# KiCad board B3_panel.kicad_pcb
title: Kleinvoet; date: 2023-07-04; rev: ${PROJECT_REV}; company: Department of Electrical and Electronic Engineering - Stellenbosch University; note: Digital Signal Processing Laboratory; note: Author: CM Geldenhuys <cmgeldenhuys@sun.ac.za>; note: Project: Kleinvoet; note: License: CERN-OHL-S-2.0
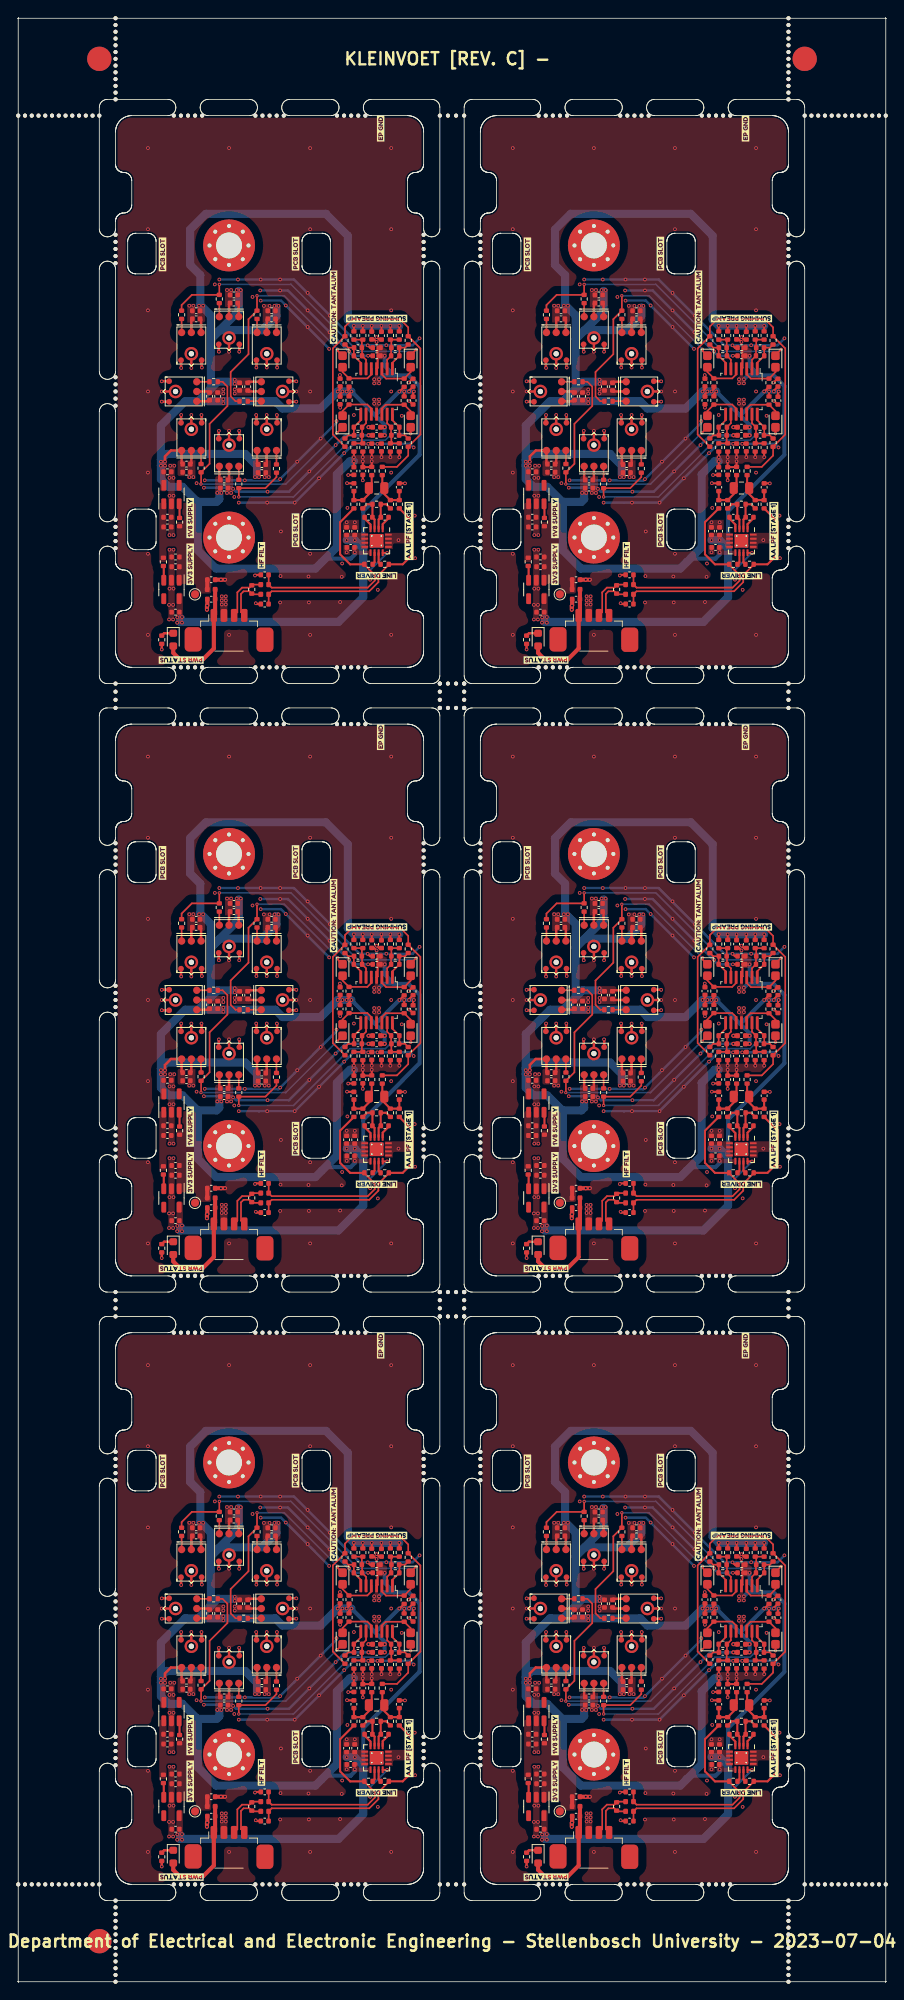
[diagram p0: board, top side]
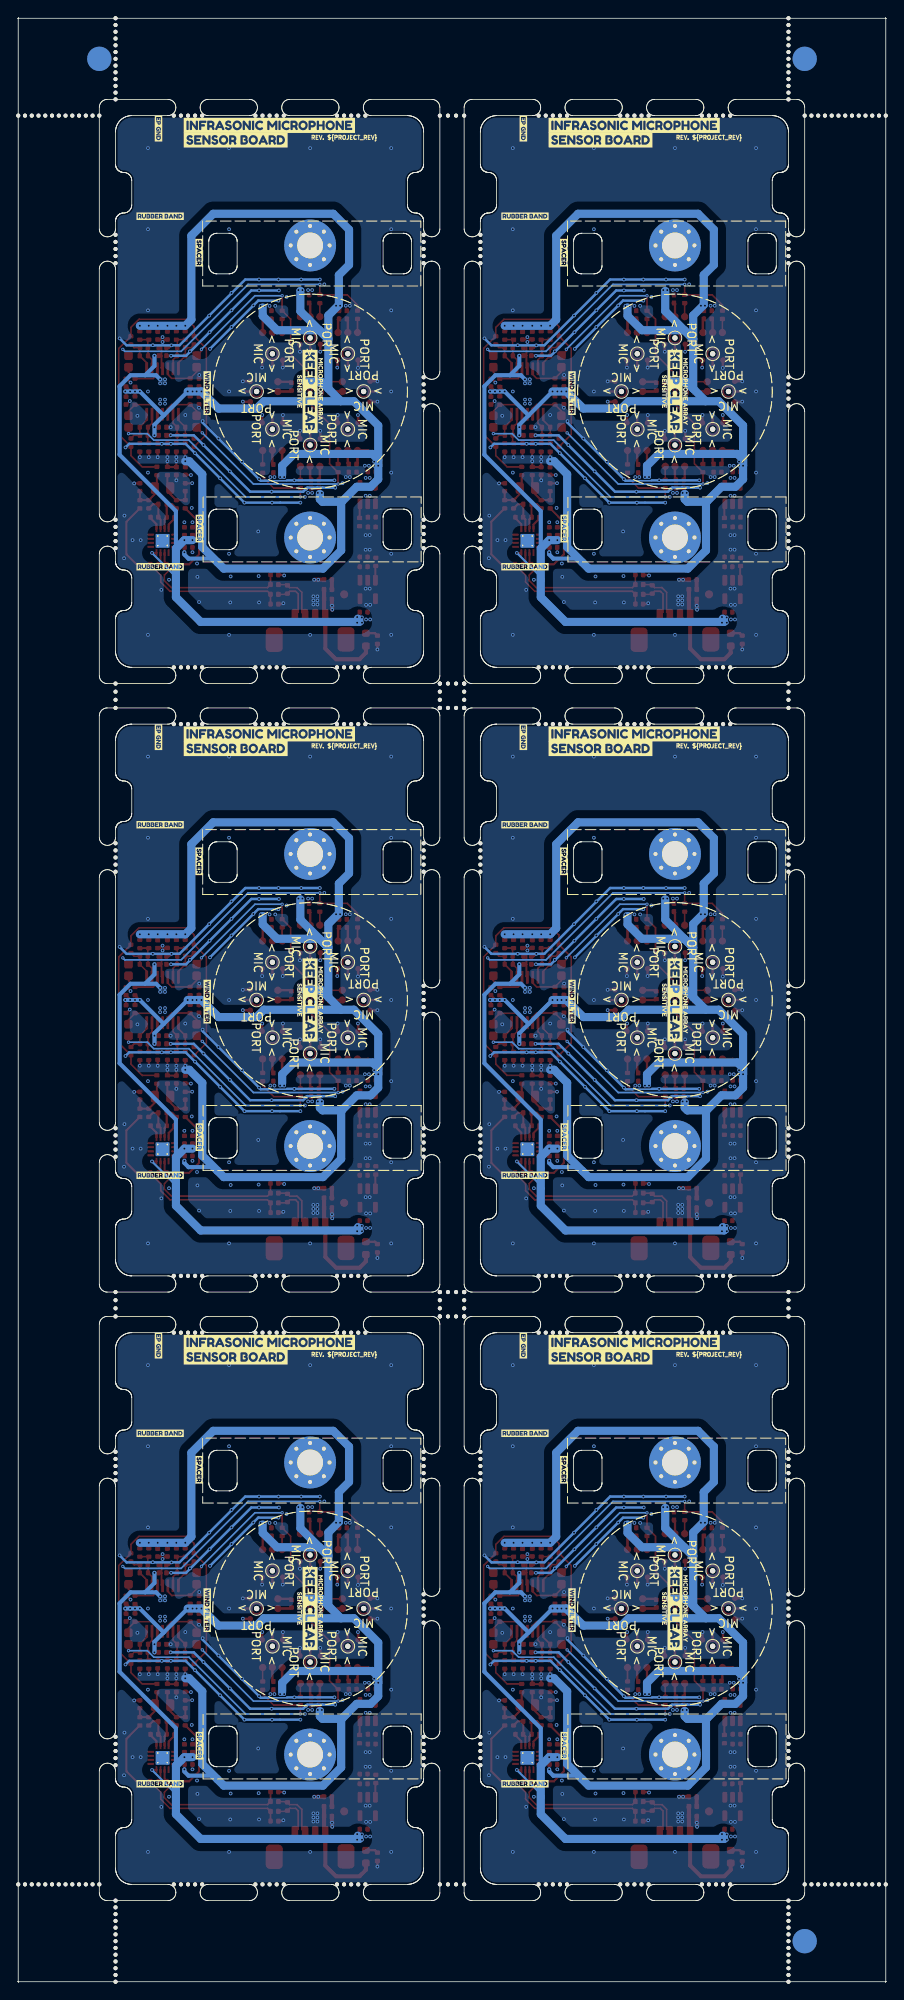
[diagram p1: board, bottom side, seen from below]

Outline 107 x 242 mm; copper layers: Top, In1.Cu, In2.Cu, Bottom. Coordinates in mm from the lower left corner of the outline.
Stack: Top 0.036mm / dielectric 0.07mm PrePreg1080 er 4.2 / dielectric 0.186mm PrePreg7628 er 4.2 / In1.Cu 0.035mm / dielectric 0.93mm NY2150 er 4.2 / In2.Cu 0.035mm / dielectric 0.186mm PrePreg7628 er 4.2 / dielectric 0.07mm PrePreg1080 er 4.2 / Bottom 0.036mm

## Placement (name value [footprint] x y rotation side)
B3  -  [Board]  12 165.6 90 top
B3#2  -  [Board]  57 90.6 90 top
B3#3  -  [Board]  12 90.6 90 top
B3#4  -  [Board]  57 15.6 90 top
B3#5  -  [Board]  57 165.6 90 top
B3#6  -  [Board]  12 15.6 90 top
C1001  10u  [C_0402_1005Metric]  63.4 186.1 0 top
C1001#2  10u  [C_0402_1005Metric]  18.4 111.1 0 top
C1001#3  10u  [C_0402_1005Metric]  18.4 36.1 0 top
C1001#4  10u  [C_0402_1005Metric]  63.4 111.1 0 top
C1001#5  10u  [C_0402_1005Metric]  18.4 186.1 0 top
C1001#6  10u  [C_0402_1005Metric]  63.4 36.1 0 top
C1002  10u  [C_0402_1005Metric]  19.4 18.8 180 top
C1002#2  10u  [C_0402_1005Metric]  64.4 168.8 180 top
C1002#3  10u  [C_0402_1005Metric]  64.4 18.8 180 top
C1002#4  10u  [C_0402_1005Metric]  19.4 168.8 180 top
C1002#5  10u  [C_0402_1005Metric]  19.4 93.8 180 top
C1002#6  10u  [C_0402_1005Metric]  64.4 93.8 180 top
C1003  1u  [C_0402_1005Metric]  68.8 170.4 180 top
C1003#2  1u  [C_0402_1005Metric]  68.8 95.4 180 top
C1003#3  1u  [C_0402_1005Metric]  23.8 95.4 180 top
C1003#4  1u  [C_0402_1005Metric]  23.8 170.4 180 top
C1003#5  1u  [C_0402_1005Metric]  68.8 20.4 180 top
C1003#6  1u  [C_0402_1005Metric]  23.8 20.4 180 top
C1004  1u  [C_0402_1005Metric]  44.2 191.6 180 top
C1004#2  1u  [C_0402_1005Metric]  44.2 41.6 180 top
C1004#3  1u  [C_0402_1005Metric]  89.2 191.6 180 top
C1004#4  1u  [C_0402_1005Metric]  44.2 116.6 180 top
C1004#5  1u  [C_0402_1005Metric]  89.2 41.6 180 top
C1004#6  1u  [C_0402_1005Metric]  89.2 116.6 180 top
C1005  10u  [C_0402_1005Metric]  68.8 97.8 0 top
C1005#2  10u  [C_0402_1005Metric]  23.8 172.8 0 top
C1005#3  10u  [C_0402_1005Metric]  68.8 22.8 0 top
C1005#4  10u  [C_0402_1005Metric]  23.8 22.8 0 top
C1005#5  10u  [C_0402_1005Metric]  68.8 172.8 0 top
C1005#6  10u  [C_0402_1005Metric]  23.8 97.8 0 top
C1006  1u  [C_0402_1005Metric]  18.4 179.3 0 top
C1006#2  1u  [C_0402_1005Metric]  63.4 29.3 0 top
C1006#3  1u  [C_0402_1005Metric]  18.4 104.3 0 top
C1006#4  1u  [C_0402_1005Metric]  18.4 29.3 0 top
C1006#5  1u  [C_0402_1005Metric]  63.4 179.3 0 top
C1006#6  1u  [C_0402_1005Metric]  63.4 104.3 0 top
C1007  1u  [C_0402_1005Metric]  64.4 175.6 180 top
C1007#2  1u  [C_0402_1005Metric]  19.4 100.6 180 top
C1007#3  1u  [C_0402_1005Metric]  64.4 100.6 180 top
C1007#4  1u  [C_0402_1005Metric]  19.4 25.6 180 top
C1007#5  1u  [C_0402_1005Metric]  19.4 175.6 180 top
C1007#6  1u  [C_0402_1005Metric]  64.4 25.6 180 top
C1008  1u  [C_0402_1005Metric]  89.2 190.6 180 top
C1008#2  1u  [C_0402_1005Metric]  89.2 115.6 180 top
C1008#3  1u  [C_0402_1005Metric]  89.2 40.6 180 top
C1008#4  1u  [C_0402_1005Metric]  44.2 115.6 180 top
C1008#5  1u  [C_0402_1005Metric]  44.2 40.6 180 top
C1008#6  1u  [C_0402_1005Metric]  44.2 190.6 180 top
C1009  1u  [C_0402_1005Metric]  41.4 111.2 270 top
C1009#2  1u  [C_0402_1005Metric]  41.4 186.2 270 top
C1009#3  1u  [C_0402_1005Metric]  86.4 36.2 270 top
C1009#4  1u  [C_0402_1005Metric]  86.4 111.2 270 top
C1009#5  1u  [C_0402_1005Metric]  41.4 36.2 270 top
C1009#6  1u  [C_0402_1005Metric]  86.4 186.2 270 top
C1101  220p  [C_0402_1005Metric]  75.4 98.4 180 top
C1101#2  220p  [C_0402_1005Metric]  75.4 23.4 180 top
C1101#3  220p  [C_0402_1005Metric]  75.4 173.4 180 top
C1101#4  220p  [C_0402_1005Metric]  30.4 173.4 180 top
C1101#5  220p  [C_0402_1005Metric]  30.4 23.4 180 top
C1101#6  220p  [C_0402_1005Metric]  30.4 98.4 180 top
C1102  220p  [C_0402_1005Metric]  30.4 19.8 0 top
C1102#2  220p  [C_0402_1005Metric]  30.4 169.8 0 top
C1102#3  220p  [C_0402_1005Metric]  30.4 94.8 0 top
C1102#4  220p  [C_0402_1005Metric]  75.4 169.8 0 top
C1102#5  220p  [C_0402_1005Metric]  75.4 19.8 0 top
C1102#6  220p  [C_0402_1005Metric]  75.4 94.8 0 top
C1401  1u  [C_0402_1005Metric]  24.6 195.4 90 top
C1401#2  1u  [C_0402_1005Metric]  24.6 120.4 90 top
C1401#3  1u  [C_0402_1005Metric]  69.6 195.4 90 top
C1401#4  1u  [C_0402_1005Metric]  24.6 45.4 90 top
C1401#5  1u  [C_0402_1005Metric]  69.6 120.4 90 top
C1401#6  1u  [C_0402_1005Metric]  69.6 45.4 90 top
C1402  1u  [C_0402_1005Metric]  30.05 111 0 top
C1402#2  1u  [C_0402_1005Metric]  75.05 186 0 top
C1402#3  1u  [C_0402_1005Metric]  30.05 36 0 top
C1402#4  1u  [C_0402_1005Metric]  75.05 111 0 top
C1402#5  1u  [C_0402_1005Metric]  30.05 186 0 top
C1402#6  1u  [C_0402_1005Metric]  75.05 36 0 top
C1501  1u  [C_0402_1005Metric]  70.4 109.1 0 top
C1501#2  1u  [C_0402_1005Metric]  25.4 109.1 0 top
C1501#3  1u  [C_0402_1005Metric]  70.4 184.1 0 top
C1501#4  1u  [C_0402_1005Metric]  70.4 34.1 0 top
C1501#5  1u  [C_0402_1005Metric]  25.4 34.1 0 top
C1501#6  1u  [C_0402_1005Metric]  25.4 184.1 0 top
C1502  220p  [C_0402_1005Metric]  91.5 126.4 180 top
C1502#2  220p  [C_0402_1005Metric]  91.5 201.4 180 top
C1502#3  220p  [C_0402_1005Metric]  46.5 51.4 180 top
C1502#4  220p  [C_0402_1005Metric]  91.5 51.4 180 top
C1502#5  220p  [C_0402_1005Metric]  46.5 126.4 180 top
C1502#6  220p  [C_0402_1005Metric]  46.5 201.4 180 top
C1503  1u  [C_0402_1005Metric]  66.95 130.95 180 top
C1503#2  1u  [C_0402_1005Metric]  21.95 205.95 180 top
C1503#3  1u  [C_0402_1005Metric]  21.95 55.95 180 top
C1503#4  1u  [C_0402_1005Metric]  21.95 130.95 180 top
C1503#5  1u  [C_0402_1005Metric]  66.95 205.95 180 top
C1503#6  1u  [C_0402_1005Metric]  66.95 55.95 180 top
C1504  1u  [C_0402_1005Metric]  89.2 51.4 180 top
C1504#2  1u  [C_0402_1005Metric]  44.2 126.4 180 top
C1504#3  1u  [C_0402_1005Metric]  44.2 51.4 180 top
C1504#4  1u  [C_0402_1005Metric]  89.2 201.4 180 top
C1504#5  1u  [C_0402_1005Metric]  89.2 126.4 180 top
C1504#6  1u  [C_0402_1005Metric]  44.2 201.4 180 top
C1505  1u  [C_0402_1005Metric]  71.6 132.9 180 top
C1505#2  1u  [C_0402_1005Metric]  71.6 207.9 180 top
C1505#3  1u  [C_0402_1005Metric]  26.6 207.9 180 top
C1505#4  1u  [C_0402_1005Metric]  26.6 132.9 180 top
C1505#5  1u  [C_0402_1005Metric]  71.6 57.9 180 top
C1505#6  1u  [C_0402_1005Metric]  26.6 57.9 180 top
C1506  1u  [C_0402_1005Metric]  20.75 112.05 0 top
C1506#2  1u  [C_0402_1005Metric]  65.75 112.05 0 top
C1506#3  1u  [C_0402_1005Metric]  20.75 187.05 0 top
C1506#4  1u  [C_0402_1005Metric]  65.75 187.05 0 top
C1506#5  1u  [C_0402_1005Metric]  65.75 37.05 0 top
C1506#6  1u  [C_0402_1005Metric]  20.75 37.05 0 top
C1507  1u  [C_0402_1005Metric]  31.25 205.95 180 top
C1507#2  1u  [C_0402_1005Metric]  76.25 205.95 180 top
C1507#3  1u  [C_0402_1005Metric]  76.25 55.95 180 top
C1507#4  1u  [C_0402_1005Metric]  31.25 130.95 180 top
C1507#5  1u  [C_0402_1005Metric]  76.25 130.95 180 top
C1507#6  1u  [C_0402_1005Metric]  31.25 55.95 180 top
C1508  1u  [C_0402_1005Metric]  27.3 121.6 270 top
C1508#2  1u  [C_0402_1005Metric]  72.3 196.6 270 top
C1508#3  1u  [C_0402_1005Metric]  27.3 46.6 270 top
C1508#4  1u  [C_0402_1005Metric]  72.3 121.6 270 top
C1508#5  1u  [C_0402_1005Metric]  72.3 46.6 270 top
C1508#6  1u  [C_0402_1005Metric]  27.3 196.6 270 top
C1601  18n  [C_0805_2012Metric]  89.2 34.1 0 top
C1601#2  18n  [C_0805_2012Metric]  44.2 184.1 0 top
C1601#3  18n  [C_0805_2012Metric]  89.2 109.1 0 top
C1601#4  18n  [C_0805_2012Metric]  44.2 34.1 0 top
C1601#5  18n  [C_0805_2012Metric]  44.2 109.1 0 top
C1601#6  18n  [C_0805_2012Metric]  89.2 184.1 0 top
C1602  PH/DNP  [R_0402_1005Metric]  44.2 32.1 0 top
C1602#2  PH/DNP  [R_0402_1005Metric]  89.2 107.1 0 top
C1602#3  PH/DNP  [R_0402_1005Metric]  44.2 107.1 0 top
C1602#4  PH/DNP  [R_0402_1005Metric]  89.2 182.1 0 top
C1602#5  PH/DNP  [R_0402_1005Metric]  89.2 32.1 0 top
C1602#6  PH/DNP  [R_0402_1005Metric]  44.2 182.1 0 top
C1603  2.7n  [C_0402_1005Metric]  88.2 30.5 0 top
C1603#2  2.7n  [C_0402_1005Metric]  88.2 180.5 0 top
C1603#3  2.7n  [C_0402_1005Metric]  43.2 105.5 0 top
C1603#4  2.7n  [C_0402_1005Metric]  43.2 30.5 0 top
C1603#5  2.7n  [C_0402_1005Metric]  88.2 105.5 0 top
C1603#6  2.7n  [C_0402_1005Metric]  43.2 180.5 0 top
C1604  2.7n  [C_0402_1005Metric]  90.2 105.5 180 top
C1604#2  2.7n  [C_0402_1005Metric]  45.2 180.5 180 top
C1604#3  2.7n  [C_0402_1005Metric]  90.2 30.5 180 top
C1604#4  2.7n  [C_0402_1005Metric]  45.2 105.5 180 top
C1604#5  2.7n  [C_0402_1005Metric]  45.2 30.5 180 top
C1604#6  2.7n  [C_0402_1005Metric]  90.2 180.5 180 top
C1605  1u  [C_0402_1005Metric]  40.5 103.78 270 top
C1605#2  1u  [C_0402_1005Metric]  40.5 28.78 270 top
C1605#3  1u  [C_0402_1005Metric]  85.5 28.78 270 top
C1605#4  1u  [C_0402_1005Metric]  85.5 178.78 270 top
C1605#5  1u  [C_0402_1005Metric]  40.5 178.78 270 top
C1605#6  1u  [C_0402_1005Metric]  85.5 103.78 270 top
C1606  220p  [C_0402_1005Metric]  86.4 34.2 270 top
C1606#2  220p  [C_0402_1005Metric]  86.4 184.2 270 top
C1606#3  220p  [C_0402_1005Metric]  86.4 109.2 270 top
C1606#4  220p  [C_0402_1005Metric]  41.4 34.2 270 top
C1606#5  220p  [C_0402_1005Metric]  41.4 184.2 270 top
C1606#6  220p  [C_0402_1005Metric]  41.4 109.2 270 top
C1607  220p  [C_0402_1005Metric]  47 109.2 270 top
C1607#2  220p  [C_0402_1005Metric]  92 34.2 270 top
C1607#3  220p  [C_0402_1005Metric]  92 109.2 270 top
C1607#4  220p  [C_0402_1005Metric]  92 184.2 270 top
C1607#5  220p  [C_0402_1005Metric]  47 184.2 270 top
C1607#6  220p  [C_0402_1005Metric]  47 34.2 270 top
C1608  > 22u  [CP_EIA-1608-10_AVX-L]  48.4 124.7 270 top
C1608#2  > 22u  [CP_EIA-1608-10_AVX-L]  93.4 49.7 270 top
C1608#3  > 22u  [CP_EIA-1608-10_AVX-L]  48.4 49.7 270 top
C1608#4  > 22u  [CP_EIA-1608-10_AVX-L]  93.4 199.7 270 top
C1608#5  > 22u  [CP_EIA-1608-10_AVX-L]  93.4 124.7 270 top
C1608#6  > 22u  [CP_EIA-1608-10_AVX-L]  48.4 199.7 270 top
C1609  > 22u  [CP_EIA-1608-10_AVX-L]  85 42.3 90 top
C1609#2  > 22u  [CP_EIA-1608-10_AVX-L]  40 192.3 90 top
C1609#3  > 22u  [CP_EIA-1608-10_AVX-L]  40 117.3 90 top
C1609#4  > 22u  [CP_EIA-1608-10_AVX-L]  85 117.3 90 top
C1609#5  > 22u  [CP_EIA-1608-10_AVX-L]  85 192.3 90 top
C1609#6  > 22u  [CP_EIA-1608-10_AVX-L]  40 42.3 90 top
C1610  220p  [C_0402_1005Metric]  86.9 51.4 0 top
C1610#2  220p  [C_0402_1005Metric]  41.9 126.4 0 top
C1610#3  220p  [C_0402_1005Metric]  86.9 201.4 0 top
C1610#4  220p  [C_0402_1005Metric]  41.9 201.4 0 top
C1610#5  220p  [C_0402_1005Metric]  41.9 51.4 0 top
C1610#6  220p  [C_0402_1005Metric]  86.9 126.4 0 top
C1611  220p  [C_0402_1005Metric]  91.5 115.6 180 top
C1611#2  220p  [C_0402_1005Metric]  91.5 40.6 180 top
C1611#3  220p  [C_0402_1005Metric]  91.5 190.6 180 top
C1611#4  220p  [C_0402_1005Metric]  46.5 40.6 180 top
C1611#5  220p  [C_0402_1005Metric]  46.5 190.6 180 top
C1611#6  220p  [C_0402_1005Metric]  46.5 115.6 180 top
C1612  220p  [C_0402_1005Metric]  86.9 190.6 0 top
C1612#2  220p  [C_0402_1005Metric]  86.9 115.6 0 top
C1612#3  220p  [C_0402_1005Metric]  41.9 115.6 0 top
C1612#4  220p  [C_0402_1005Metric]  41.9 40.6 0 top
C1612#5  220p  [C_0402_1005Metric]  41.9 190.6 0 top
C1612#6  220p  [C_0402_1005Metric]  86.9 40.6 0 top
C1613  > 22u  [CP_EIA-1608-10_AVX-L]  48.4 117.3 90 top
C1613#2  > 22u  [CP_EIA-1608-10_AVX-L]  48.4 42.3 90 top
C1613#3  > 22u  [CP_EIA-1608-10_AVX-L]  93.4 42.3 90 top
C1613#4  > 22u  [CP_EIA-1608-10_AVX-L]  93.4 192.3 90 top
C1613#5  > 22u  [CP_EIA-1608-10_AVX-L]  48.4 192.3 90 top
C1613#6  > 22u  [CP_EIA-1608-10_AVX-L]  93.4 117.3 90 top
C1614  > 22u  [CP_EIA-1608-10_AVX-L]  40 49.7 270 top
C1614#2  > 22u  [CP_EIA-1608-10_AVX-L]  85 199.7 270 top
C1614#3  > 22u  [CP_EIA-1608-10_AVX-L]  85 49.7 270 top
C1614#4  > 22u  [CP_EIA-1608-10_AVX-L]  40 124.7 270 top
C1614#5  > 22u  [CP_EIA-1608-10_AVX-L]  40 199.7 270 top
C1614#6  > 22u  [CP_EIA-1608-10_AVX-L]  85 124.7 270 top
CB1001  100n  [C_0402_1005Metric]  18.4 180.5 0 top
CB1001#2  100n  [C_0402_1005Metric]  18.4 30.5 0 top
CB1001#3  100n  [C_0402_1005Metric]  63.4 105.5 0 top
CB1001#4  100n  [C_0402_1005Metric]  63.4 180.5 0 top
CB1001#5  100n  [C_0402_1005Metric]  18.4 105.5 0 top
CB1001#6  100n  [C_0402_1005Metric]  63.4 30.5 0 top
CB1002  100n  [C_0402_1005Metric]  19.4 174.4 180 top
CB1002#2  100n  [C_0402_1005Metric]  64.4 24.4 180 top
CB1002#3  100n  [C_0402_1005Metric]  19.4 99.4 180 top
CB1002#4  100n  [C_0402_1005Metric]  64.4 99.4 180 top
CB1002#5  100n  [C_0402_1005Metric]  19.4 24.4 180 top
CB1002#6  100n  [C_0402_1005Metric]  64.4 174.4 180 top
CB1003  100n  [C_0402_1005Metric]  42.5 111.2 270 top
CB1003#2  100n  [C_0402_1005Metric]  87.5 111.2 270 top
CB1003#3  100n  [C_0402_1005Metric]  87.5 186.2 270 top
CB1003#4  100n  [C_0402_1005Metric]  42.5 186.2 270 top
CB1003#5  100n  [C_0402_1005Metric]  42.5 36.2 270 top
CB1003#6  100n  [C_0402_1005Metric]  87.5 36.2 270 top
CB1401  100n  [C_0402_1005Metric]  75.05 37 0 top
CB1401#2  100n  [C_0402_1005Metric]  30.05 187 0 top
CB1401#3  100n  [C_0402_1005Metric]  75.05 112 0 top
CB1401#4  100n  [C_0402_1005Metric]  30.05 112 0 top
CB1401#5  100n  [C_0402_1005Metric]  75.05 187 0 top
CB1401#6  100n  [C_0402_1005Metric]  30.05 37 0 top
CB1402  100n  [C_0402_1005Metric]  66.95 204.95 180 top
CB1402#2  100n  [C_0402_1005Metric]  21.95 204.95 180 top
CB1402#3  100n  [C_0402_1005Metric]  21.95 129.95 180 top
CB1402#4  100n  [C_0402_1005Metric]  66.95 54.95 180 top
CB1402#5  100n  [C_0402_1005Metric]  21.95 54.95 180 top
CB1402#6  100n  [C_0402_1005Metric]  66.95 129.95 180 top
CB1403  100n  [C_0402_1005Metric]  20.75 186.05 0 top
CB1403#2  100n  [C_0402_1005Metric]  20.75 111.05 0 top
CB1403#3  100n  [C_0402_1005Metric]  65.75 186.05 0 top
CB1403#4  100n  [C_0402_1005Metric]  65.75 36.05 0 top
CB1403#5  100n  [C_0402_1005Metric]  20.75 36.05 0 top
CB1403#6  100n  [C_0402_1005Metric]  65.75 111.05 0 top
CB1404  100n  [C_0402_1005Metric]  26.6 206.9 180 top
CB1404#2  100n  [C_0402_1005Metric]  71.6 131.9 180 top
CB1404#3  100n  [C_0402_1005Metric]  26.6 131.9 180 top
CB1404#4  100n  [C_0402_1005Metric]  71.6 206.9 180 top
CB1404#5  100n  [C_0402_1005Metric]  26.6 56.9 180 top
CB1404#6  100n  [C_0402_1005Metric]  71.6 56.9 180 top
CB1405  100n  [C_0402_1005Metric]  70.4 110.1 0 top
CB1405#2  100n  [C_0402_1005Metric]  25.4 110.1 0 top
CB1405#3  100n  [C_0402_1005Metric]  70.4 35.1 0 top
CB1405#4  100n  [C_0402_1005Metric]  25.4 35.1 0 top
CB1405#5  100n  [C_0402_1005Metric]  70.4 185.1 0 top
CB1405#6  100n  [C_0402_1005Metric]  25.4 185.1 0 top
CB1406  100n  [C_0402_1005Metric]  76.25 54.95 180 top
CB1406#2  100n  [C_0402_1005Metric]  31.25 204.95 180 top
CB1406#3  100n  [C_0402_1005Metric]  76.25 129.95 180 top
CB1406#4  100n  [C_0402_1005Metric]  31.25 129.95 180 top
CB1406#5  100n  [C_0402_1005Metric]  76.25 204.95 180 top
CB1406#6  100n  [C_0402_1005Metric]  31.25 54.95 180 top
CB1407  100n  [C_0402_1005Metric]  73.3 121.6 270 top
CB1407#2  100n  [C_0402_1005Metric]  28.3 196.6 270 top
CB1407#3  100n  [C_0402_1005Metric]  73.3 196.6 270 top
CB1407#4  100n  [C_0402_1005Metric]  28.3 121.6 270 top
CB1407#5  100n  [C_0402_1005Metric]  28.3 46.6 270 top
CB1407#6  100n  [C_0402_1005Metric]  73.3 46.6 270 top
CB1408  100n  [C_0402_1005Metric]  23.6 195.4 90 top
CB1408#2  100n  [C_0402_1005Metric]  68.6 195.4 90 top
CB1408#3  100n  [C_0402_1005Metric]  23.6 45.4 90 top
CB1408#4  100n  [C_0402_1005Metric]  68.6 120.4 90 top
CB1408#5  100n  [C_0402_1005Metric]  23.6 120.4 90 top
CB1408#6  100n  [C_0402_1005Metric]  68.6 45.4 90 top
CB1502  100n  [C_0402_1005Metric]  44.2 200.4 180 top
CB1502#2  100n  [C_0402_1005Metric]  89.2 200.4 180 top
CB1502#3  100n  [C_0402_1005Metric]  89.2 125.4 180 top
CB1502#4  100n  [C_0402_1005Metric]  44.2 50.4 180 top
CB1502#5  100n  [C_0402_1005Metric]  44.2 125.4 180 top
CB1502#6  100n  [C_0402_1005Metric]  89.2 50.4 180 top
CB1601  100n  [C_0402_1005Metric]  41.5 28.78 90 top
CB1601#2  100n  [C_0402_1005Metric]  41.5 103.78 90 top
CB1601#3  100n  [C_0402_1005Metric]  86.5 28.78 90 top
CB1601#4  100n  [C_0402_1005Metric]  41.5 178.78 90 top
CB1601#5  100n  [C_0402_1005Metric]  86.5 103.78 90 top
CB1601#6  100n  [C_0402_1005Metric]  86.5 178.78 90 top
CB1602  100n  [C_0402_1005Metric]  41 176.78 180 top
CB1602#2  100n  [C_0402_1005Metric]  86 101.78 180 top
CB1602#3  100n  [C_0402_1005Metric]  41 26.78 180 top
CB1602#4  100n  [C_0402_1005Metric]  86 176.78 180 top
CB1602#5  100n  [C_0402_1005Metric]  86 26.78 180 top
CB1602#6  100n  [C_0402_1005Metric]  41 101.78 180 top
CB1603  100n  [C_0402_1005Metric]  48.7 119.88 270 top
CB1603#2  100n  [C_0402_1005Metric]  93.7 194.88 270 top
CB1603#3  100n  [C_0402_1005Metric]  48.7 44.88 270 top
CB1603#4  100n  [C_0402_1005Metric]  93.7 44.88 270 top
CB1603#5  100n  [C_0402_1005Metric]  48.7 194.88 270 top
CB1603#6  100n  [C_0402_1005Metric]  93.7 119.88 270 top
CB1604  100n  [C_0402_1005Metric]  84.7 119.9 270 top
CB1604#2  100n  [C_0402_1005Metric]  84.7 194.9 270 top
CB1604#3  100n  [C_0402_1005Metric]  39.7 119.9 270 top
CB1604#4  100n  [C_0402_1005Metric]  84.7 44.9 270 top
CB1604#5  100n  [C_0402_1005Metric]  39.7 44.9 270 top
CB1604#6  100n  [C_0402_1005Metric]  39.7 194.9 270 top
CB1605  100n  [C_0402_1005Metric]  39.7 47.1 90 top
CB1605#2  100n  [C_0402_1005Metric]  84.7 122.1 90 top
CB1605#3  100n  [C_0402_1005Metric]  39.7 122.1 90 top
CB1605#4  100n  [C_0402_1005Metric]  84.7 47.1 90 top
CB1605#5  100n  [C_0402_1005Metric]  39.7 197.1 90 top
CB1605#6  100n  [C_0402_1005Metric]  84.7 197.1 90 top
CB1606  100n  [C_0402_1005Metric]  48.7 122.08 90 top
CB1606#2  100n  [C_0402_1005Metric]  48.7 197.08 90 top
CB1606#3  100n  [C_0402_1005Metric]  93.7 47.08 90 top
CB1606#4  100n  [C_0402_1005Metric]  48.7 47.08 90 top
CB1606#5  100n  [C_0402_1005Metric]  93.7 197.08 90 top
CB1606#6  100n  [C_0402_1005Metric]  93.7 122.08 90 top
CB1607  100n  [C_0402_1005Metric]  44.8 189.1 90 top
CB1607#2  100n  [C_0402_1005Metric]  89.8 39.1 90 top
CB1607#3  100n  [C_0402_1005Metric]  89.8 114.1 90 top
CB1607#4  100n  [C_0402_1005Metric]  44.8 39.1 90 top
CB1607#5  100n  [C_0402_1005Metric]  44.8 114.1 90 top
CB1607#6  100n  [C_0402_1005Metric]  89.8 189.1 90 top
CB1608  100n  [C_0402_1005Metric]  43.6 39.1 90 top
CB1608#2  100n  [C_0402_1005Metric]  88.6 189.1 90 top
CB1608#3  100n  [C_0402_1005Metric]  88.6 39.1 90 top
CB1608#4  100n  [C_0402_1005Metric]  88.6 114.1 90 top
CB1608#5  100n  [C_0402_1005Metric]  43.6 114.1 90 top
CB1608#6  100n  [C_0402_1005Metric]  43.6 189.1 90 top
CB1609  100n  [C_0402_1005Metric]  88.6 127.9 270 top
CB1609#2  100n  [C_0402_1005Metric]  43.6 52.9 270 top
CB1609#3  100n  [C_0402_1005Metric]  88.6 52.9 270 top
CB1609#4  100n  [C_0402_1005Metric]  43.6 127.9 270 top
CB1609#5  100n  [C_0402_1005Metric]  43.6 202.9 270 top
CB1609#6  100n  [C_0402_1005Metric]  88.6 202.9 270 top
CB1610  100n  [C_0402_1005Metric]  89.8 52.88 270 top
CB1610#2  100n  [C_0402_1005Metric]  89.8 127.88 270 top
CB1610#3  100n  [C_0402_1005Metric]  44.8 127.88 270 top
CB1610#4  100n  [C_0402_1005Metric]  44.8 52.88 270 top
CB1610#5  100n  [C_0402_1005Metric]  89.8 202.88 270 top
CB1610#6  100n  [C_0402_1005Metric]  44.8 202.88 270 top
D1001  RED  [LED_0603_1608Metric]  19.12 90.42 270 top
D1001#2  RED  [LED_0603_1608Metric]  19.12 165.42 270 top
D1001#3  RED  [LED_0603_1608Metric]  64.12 90.42 270 top
D1001#4  RED  [LED_0603_1608Metric]  19.12 15.42 270 top
D1001#5  RED  [LED_0603_1608Metric]  64.12 165.42 270 top
D1001#6  RED  [LED_0603_1608Metric]  64.12 15.42 270 top
FB1001  100@100MHz  [L_0402_1005Metric]  68.8 96.6 180 top
FB1001#2  100@100MHz  [L_0402_1005Metric]  23.8 96.6 180 top
FB1001#3  100@100MHz  [L_0402_1005Metric]  23.8 21.6 180 top
FB1001#4  100@100MHz  [L_0402_1005Metric]  68.8 21.6 180 top
FB1001#5  100@100MHz  [L_0402_1005Metric]  23.8 171.6 180 top
FB1001#6  100@100MHz  [L_0402_1005Metric]  68.8 171.6 180 top
FB1101  1k@100MHz  [L_0402_1005Metric]  75.4 172.2 0 top
FB1101#2  1k@100MHz  [L_0402_1005Metric]  30.4 172.2 0 top
FB1101#3  1k@100MHz  [L_0402_1005Metric]  30.4 97.2 0 top
FB1101#4  1k@100MHz  [L_0402_1005Metric]  75.4 97.2 0 top
FB1101#5  1k@100MHz  [L_0402_1005Metric]  75.4 22.2 0 top
FB1101#6  1k@100MHz  [L_0402_1005Metric]  30.4 22.2 0 top
FB1102  1k@100MHz  [L_0402_1005Metric]  30.4 171 0 top
FB1102#2  1k@100MHz  [L_0402_1005Metric]  30.4 21 0 top
FB1102#3  1k@100MHz  [L_0402_1005Metric]  30.4 96 0 top
FB1102#4  1k@100MHz  [L_0402_1005Metric]  75.4 171 0 top
FB1102#5  1k@100MHz  [L_0402_1005Metric]  75.4 96 0 top
FB1102#6  1k@100MHz  [L_0402_1005Metric]  75.4 21 0 top
H1001  MountingHole_Pad  [MountingHole_3.2mm_M3_Pad_Via]  71 64 90 top
H1001#2  MountingHole_Pad  [MountingHole_3.2mm_M3_Pad_Via]  71 139 90 top
H1001#3  MountingHole_Pad  [MountingHole_3.2mm_M3_Pad_Via]  26 64 90 top
H1001#4  MountingHole_Pad  [MountingHole_3.2mm_M3_Pad_Via]  26 139 90 top
H1001#5  MountingHole_Pad  [MountingHole_3.2mm_M3_Pad_Via]  26 214 90 top
H1001#6  MountingHole_Pad  [MountingHole_3.2mm_M3_Pad_Via]  71 214 90 top
H1002  MountingHole_Pad  [MountingHole_3.2mm_M3_Pad_Via]  26 28 90 top
H1002#2  MountingHole_Pad  [MountingHole_3.2mm_M3_Pad_Via]  26 178 90 top
H1002#3  MountingHole_Pad  [MountingHole_3.2mm_M3_Pad_Via]  71 178 90 top
H1002#4  MountingHole_Pad  [MountingHole_3.2mm_M3_Pad_Via]  71 103 90 top
H1002#5  MountingHole_Pad  [MountingHole_3.2mm_M3_Pad_Via]  26 103 90 top
H1002#6  MountingHole_Pad  [MountingHole_3.2mm_M3_Pad_Via]  71 28 90 top